# KiCad board Panel_R0.5.1_300x300_2layer_step1.kicad_pcb (continued)
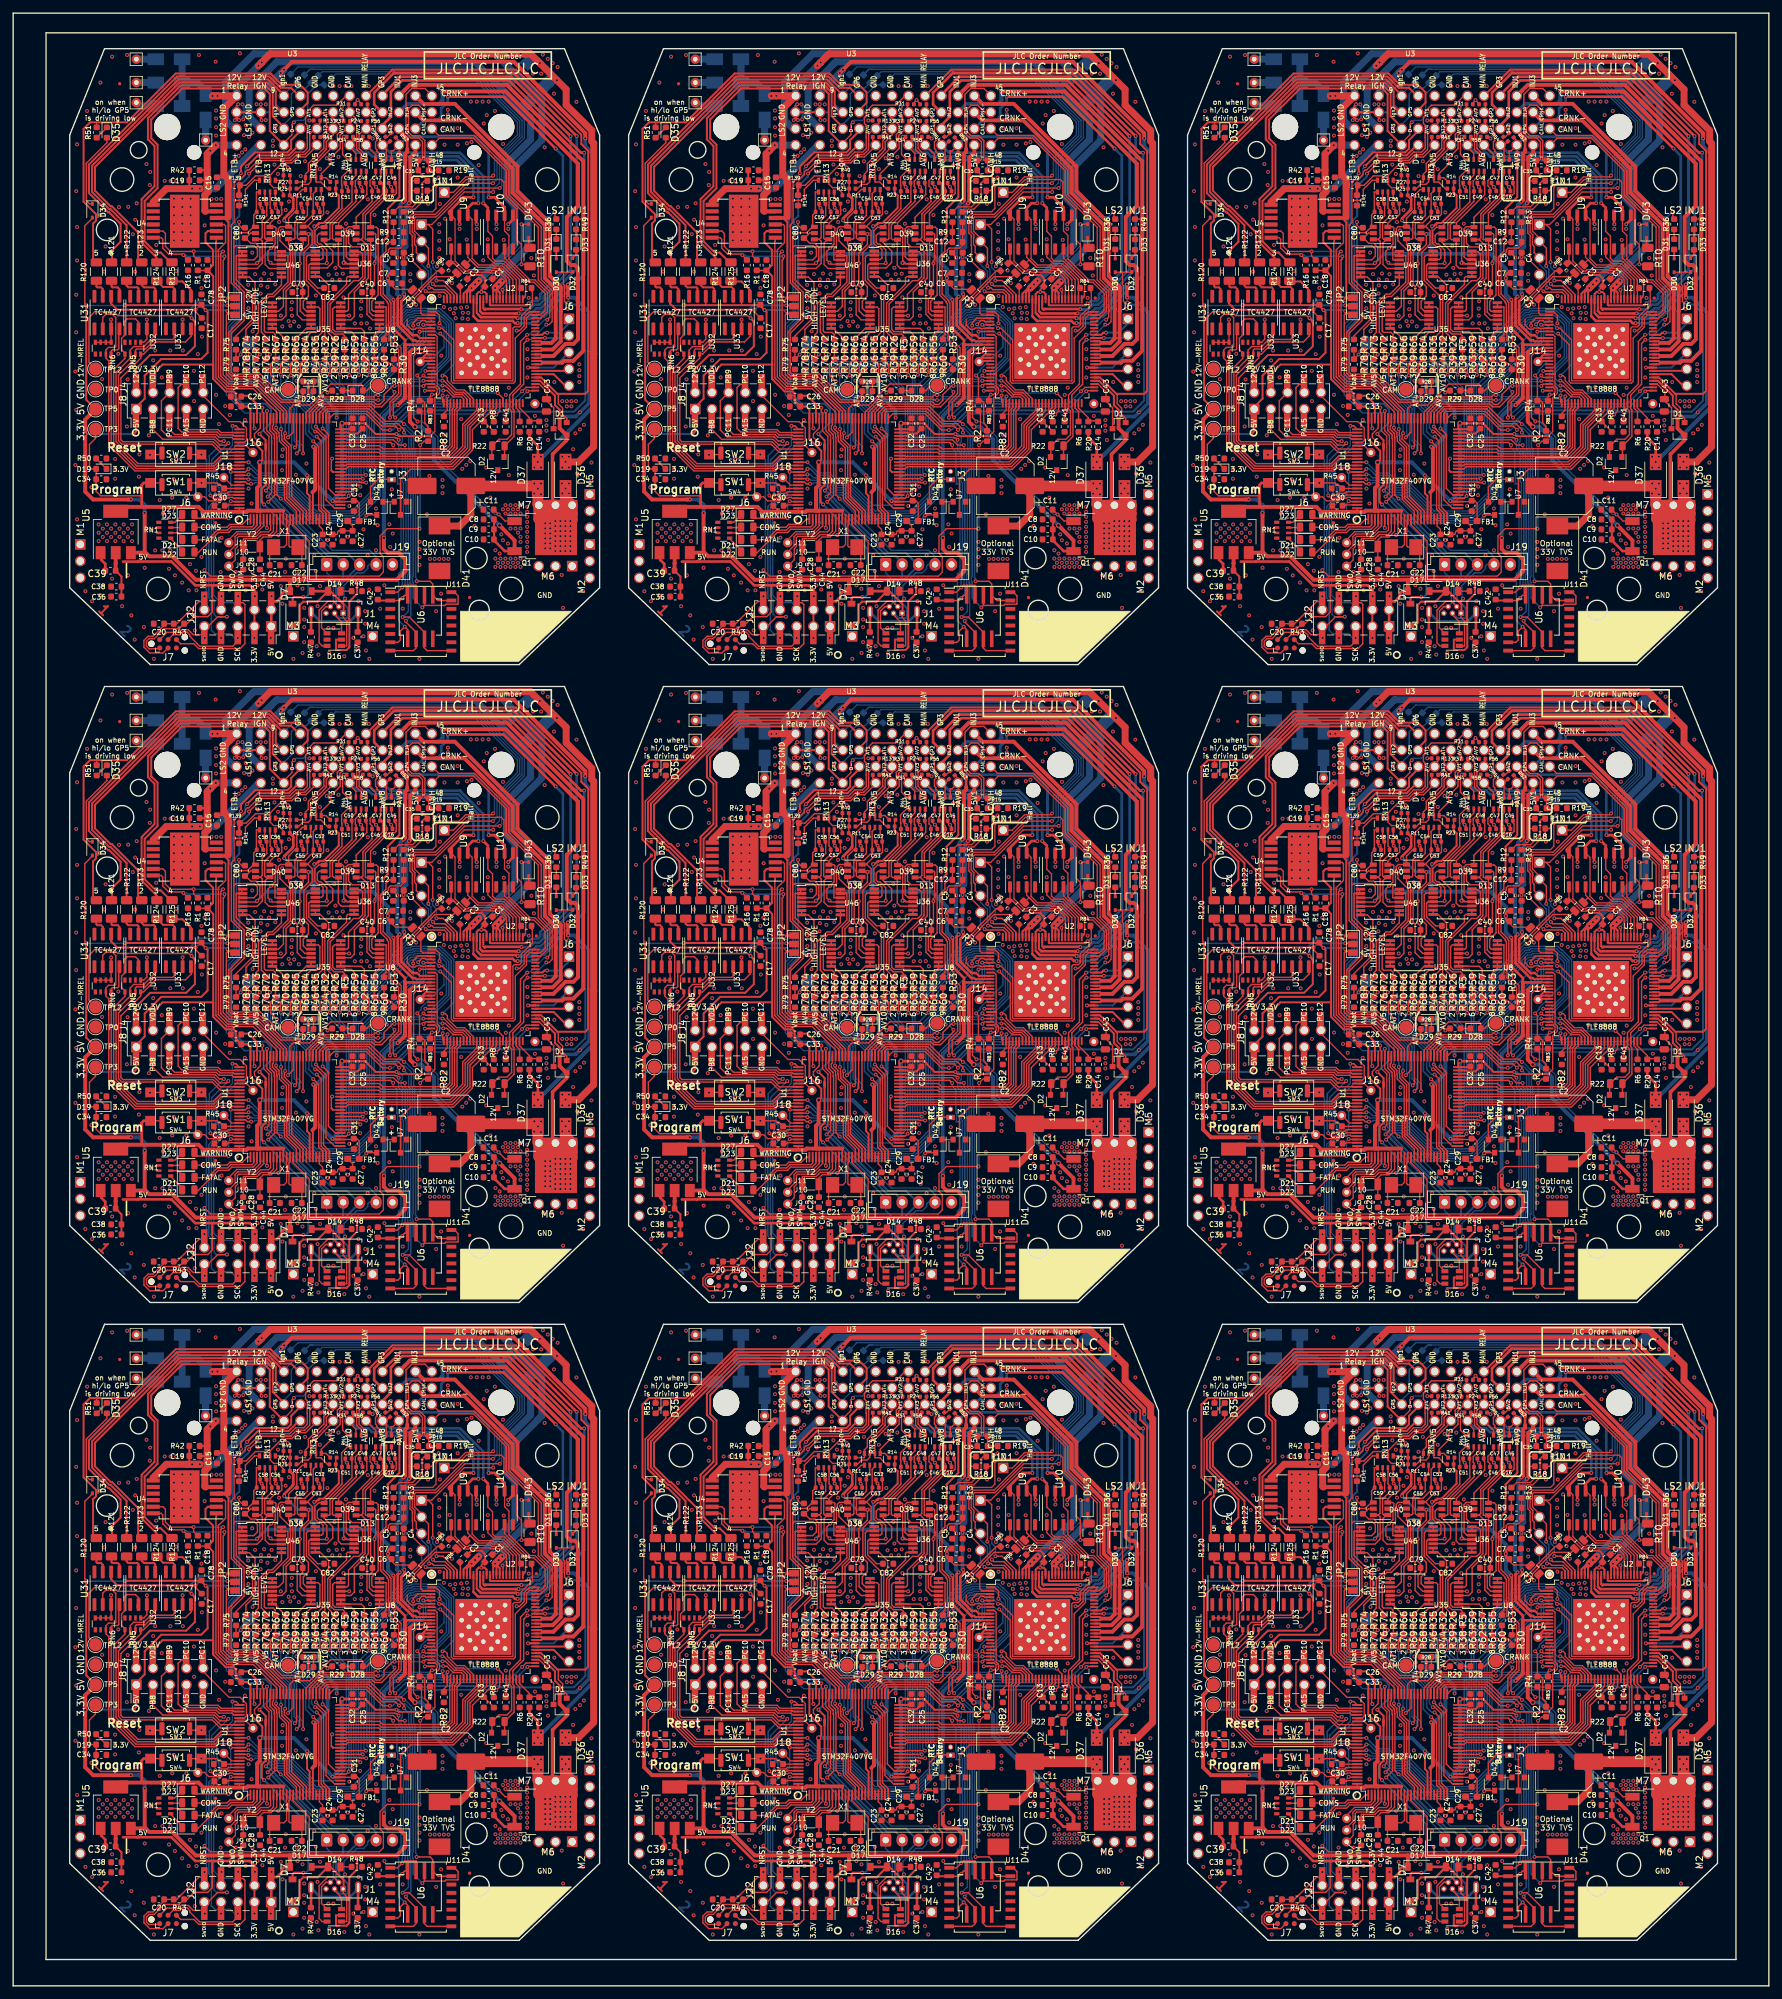
[diagram p0: board, top side]
## Placement (name value [footprint] x y rotation side) (continued)
FB1#6  FILTER  [R_0603_1608Metric_Pad1.05x0.95mm_HandSolder]  51.75 125.77 180 top
FB1#7  FILTER  [R_0603_1608Metric_Pad1.05x0.95mm_HandSolder]  221.75 28.77 180 top
FB1#8  FILTER  [R_0603_1608Metric_Pad1.05x0.95mm_HandSolder]  136.75 28.77 180 top
FB1#9  FILTER  [R_0603_1608Metric_Pad1.05x0.95mm_HandSolder]  51.75 28.77 180 top
FID1  Fiducial  [Fiducial_0.5mm_Mask1mm]  16.19 289.26 0 top
FID1#2  Fiducial  [Fiducial_0.5mm_Mask1mm]  101.19 289.26 0 top
FID1#3  Fiducial  [Fiducial_0.5mm_Mask1mm]  186.19 289.26 0 top
FID1#4  Fiducial  [Fiducial_0.5mm_Mask1mm]  101.19 192.26 0 top
FID1#5  Fiducial  [Fiducial_0.5mm_Mask1mm]  186.19 192.26 0 top
FID1#6  Fiducial  [Fiducial_0.5mm_Mask1mm]  16.19 192.26 0 top
FID1#7  Fiducial  [Fiducial_0.5mm_Mask1mm]  186.19 95.26 0 top
FID1#8  Fiducial  [Fiducial_0.5mm_Mask1mm]  101.19 95.26 0 top
FID1#9  Fiducial  [Fiducial_0.5mm_Mask1mm]  16.19 95.26 0 top
FID2  Fiducial  [Fiducial_0.5mm_Mask1mm]  30.8 222.51 0 top
FID2#2  Fiducial  [Fiducial_0.5mm_Mask1mm]  115.8 222.51 0 top
FID2#3  Fiducial  [Fiducial_0.5mm_Mask1mm]  200.8 222.51 0 top
FID2#4  Fiducial  [Fiducial_0.5mm_Mask1mm]  200.8 125.51 0 top
FID2#5  Fiducial  [Fiducial_0.5mm_Mask1mm]  115.8 125.51 0 top
FID2#6  Fiducial  [Fiducial_0.5mm_Mask1mm]  30.8 125.51 0 top
FID2#7  Fiducial  [Fiducial_0.5mm_Mask1mm]  200.8 28.51 0 top
FID2#8  Fiducial  [Fiducial_0.5mm_Mask1mm]  115.8 28.51 0 top
FID2#9  Fiducial  [Fiducial_0.5mm_Mask1mm]  30.8 28.51 0 top
FID3  Fiducial  [Fiducial_0.5mm_Mask1mm]  79.57 256.68 0 top
FID3#2  Fiducial  [Fiducial_0.5mm_Mask1mm]  164.57 256.68 0 top
FID3#3  Fiducial  [Fiducial_0.5mm_Mask1mm]  249.57 256.68 0 top
FID3#4  Fiducial  [Fiducial_0.5mm_Mask1mm]  164.57 159.68 0 top
FID3#5  Fiducial  [Fiducial_0.5mm_Mask1mm]  249.57 159.68 0 top
FID3#6  Fiducial  [Fiducial_0.5mm_Mask1mm]  79.57 159.68 0 top
FID3#7  Fiducial  [Fiducial_0.5mm_Mask1mm]  249.57 62.68 0 top
FID3#8  Fiducial  [Fiducial_0.5mm_Mask1mm]  164.57 62.68 0 top
FID3#9  Fiducial  [Fiducial_0.5mm_Mask1mm]  79.57 62.68 0 top
FID4  Fiducial  [Fiducial_0.5mm_Mask1mm]  69.41 211.13 0 top
FID4#2  Fiducial  [Fiducial_0.5mm_Mask1mm]  154.41 211.13 0 top
FID4#3  Fiducial  [Fiducial_0.5mm_Mask1mm]  239.41 211.13 0 top
FID4#4  Fiducial  [Fiducial_0.5mm_Mask1mm]  154.41 114.13 0 top
FID4#5  Fiducial  [Fiducial_0.5mm_Mask1mm]  239.41 114.13 0 top
FID4#6  Fiducial  [Fiducial_0.5mm_Mask1mm]  69.41 114.13 0 top
FID4#7  Fiducial  [Fiducial_0.5mm_Mask1mm]  239.41 17.13 0 top
FID4#8  Fiducial  [Fiducial_0.5mm_Mask1mm]  154.41 17.13 0 top
FID4#9  Fiducial  [Fiducial_0.5mm_Mask1mm]  69.41 17.13 0 top
FID5  Fiducial  [Fiducial_0.5mm_Mask1mm]  79.08 258.35 0 bottom
FID5#2  Fiducial  [Fiducial_0.5mm_Mask1mm]  164.08 258.35 0 bottom
FID5#3  Fiducial  [Fiducial_0.5mm_Mask1mm]  249.08 258.35 0 bottom
FID5#4  Fiducial  [Fiducial_0.5mm_Mask1mm]  164.08 161.35 0 bottom
FID5#5  Fiducial  [Fiducial_0.5mm_Mask1mm]  249.08 161.35 0 bottom
FID5#6  Fiducial  [Fiducial_0.5mm_Mask1mm]  79.08 161.35 0 bottom
FID5#7  Fiducial  [Fiducial_0.5mm_Mask1mm]  249.08 64.35 0 bottom
FID5#8  Fiducial  [Fiducial_0.5mm_Mask1mm]  79.08 64.35 0 bottom
FID5#9  Fiducial  [Fiducial_0.5mm_Mask1mm]  164.08 64.35 0 bottom
FID6  Fiducial  [Fiducial_0.5mm_Mask1mm]  48.35 251.55 0 bottom
FID6#2  Fiducial  [Fiducial_0.5mm_Mask1mm]  133.35 251.55 0 bottom
FID6#3  Fiducial  [Fiducial_0.5mm_Mask1mm]  218.35 251.55 0 bottom
FID6#4  Fiducial  [Fiducial_0.5mm_Mask1mm]  133.35 154.55 0 bottom
FID6#5  Fiducial  [Fiducial_0.5mm_Mask1mm]  218.35 154.55 0 bottom
FID6#6  Fiducial  [Fiducial_0.5mm_Mask1mm]  48.35 154.55 0 bottom
FID6#7  Fiducial  [Fiducial_0.5mm_Mask1mm]  133.35 57.55 0 bottom
FID6#8  Fiducial  [Fiducial_0.5mm_Mask1mm]  218.35 57.55 0 bottom
FID6#9  Fiducial  [Fiducial_0.5mm_Mask1mm]  48.35 57.55 0 bottom
G1  Disclaimer  [Off_Road_Disclaimer]  47.06 266.2 180 bottom
G1#2  Disclaimer  [Off_Road_Disclaimer]  132.06 266.2 180 bottom
G1#3  Disclaimer  [Off_Road_Disclaimer]  217.06 266.2 180 bottom
G1#4  Disclaimer  [Off_Road_Disclaimer]  47.06 169.2 180 bottom
G1#5  Disclaimer  [Off_Road_Disclaimer]  217.06 169.2 180 bottom
G1#6  Disclaimer  [Off_Road_Disclaimer]  132.06 169.2 180 bottom
G1#7  Disclaimer  [Off_Road_Disclaimer]  217.06 72.2 180 bottom
G1#8  Disclaimer  [Off_Road_Disclaimer]  47.06 72.2 180 bottom
G1#9  Disclaimer  [Off_Road_Disclaimer]  132.06 72.2 180 bottom
J1  USB_B_Micro  [USB_Micro-B_Wuerth_614105150721_Vertical]  50.18 208.75 180 top
J1#2  USB_B_Micro  [USB_Micro-B_Wuerth_614105150721_Vertical]  135.18 208.75 180 top
J1#3  USB_B_Micro  [USB_Micro-B_Wuerth_614105150721_Vertical]  220.18 208.75 180 top
J1#4  USB_B_Micro  [USB_Micro-B_Wuerth_614105150721_Vertical]  50.18 111.75 180 top
J1#5  USB_B_Micro  [USB_Micro-B_Wuerth_614105150721_Vertical]  220.18 111.75 180 top
J1#6  USB_B_Micro  [USB_Micro-B_Wuerth_614105150721_Vertical]  135.18 111.75 180 top
J1#7  USB_B_Micro  [USB_Micro-B_Wuerth_614105150721_Vertical]  50.18 14.75 180 top
J1#8  USB_B_Micro  [USB_Micro-B_Wuerth_614105150721_Vertical]  220.18 14.75 180 top
J1#9  USB_B_Micro  [USB_Micro-B_Wuerth_614105150721_Vertical]  135.18 14.75 180 top
J2  Conn_02x05_Odd_Even  [PinSocket_2x05_P2.54mm_Vertical_SMD]  34.15 208.03 270 top
J2#2  Conn_02x05_Odd_Even  [PinSocket_2x05_P2.54mm_Vertical_SMD]  119.15 208.03 270 top
J2#3  Conn_02x05_Odd_Even  [PinSocket_2x05_P2.54mm_Vertical_SMD]  204.15 208.03 270 top
J2#4  Conn_02x05_Odd_Even  [PinSocket_2x05_P2.54mm_Vertical_SMD]  34.15 111.03 270 top
J2#5  Conn_02x05_Odd_Even  [PinSocket_2x05_P2.54mm_Vertical_SMD]  204.15 111.03 270 top
J2#6  Conn_02x05_Odd_Even  [PinSocket_2x05_P2.54mm_Vertical_SMD]  119.15 111.03 270 top
J2#7  Conn_02x05_Odd_Even  [PinSocket_2x05_P2.54mm_Vertical_SMD]  34.15 14.03 270 top
J2#8  Conn_02x05_Odd_Even  [PinSocket_2x05_P2.54mm_Vertical_SMD]  204.15 14.03 270 top
J2#9  Conn_02x05_Odd_Even  [PinSocket_2x05_P2.54mm_Vertical_SMD]  119.15 14.03 270 top
J3  Conn_01x01  [Pin_D0.7mm_L6.5mm_W1.8mm_FlatFork]  29.27 280.68 270 top
J3#2  Conn_01x01  [Pin_D0.7mm_L6.5mm_W1.8mm_FlatFork]  114.28 280.68 270 top
J3#3  Conn_01x01  [Pin_D0.7mm_L6.5mm_W1.8mm_FlatFork]  199.28 280.68 270 top
J3#4  Conn_01x01  [Pin_D0.7mm_L6.5mm_W1.8mm_FlatFork]  29.27 183.68 270 top
J3#5  Conn_01x01  [Pin_D0.7mm_L6.5mm_W1.8mm_FlatFork]  199.28 183.68 270 top
J3#6  Conn_01x01  [Pin_D0.7mm_L6.5mm_W1.8mm_FlatFork]  114.28 183.68 270 top
J3#7  Conn_01x01  [Pin_D0.7mm_L6.5mm_W1.8mm_FlatFork]  29.27 86.68 270 top
J3#8  Conn_01x01  [Pin_D0.7mm_L6.5mm_W1.8mm_FlatFork]  199.28 86.68 270 top
J3#9  Conn_01x01  [Pin_D0.7mm_L6.5mm_W1.8mm_FlatFork]  114.28 86.68 270 top
J4  Conn_02x05_Counter_Clockwise  [PinHeader_2x05_P2.54mm_Vertical_SMD]  23.76 241.03 90 top
J4#2  Conn_02x05_Counter_Clockwise  [PinHeader_2x05_P2.54mm_Vertical_SMD]  108.76 241.03 90 top
J4#3  Conn_02x05_Counter_Clockwise  [PinHeader_2x05_P2.54mm_Vertical_SMD]  193.76 241.03 90 top
J4#4  Conn_02x05_Counter_Clockwise  [PinHeader_2x05_P2.54mm_Vertical_SMD]  23.76 144.03 90 top
J4#5  Conn_02x05_Counter_Clockwise  [PinHeader_2x05_P2.54mm_Vertical_SMD]  193.76 144.03 90 top
J4#6  Conn_02x05_Counter_Clockwise  [PinHeader_2x05_P2.54mm_Vertical_SMD]  108.76 144.03 90 top
J4#7  Conn_02x05_Counter_Clockwise  [PinHeader_2x05_P2.54mm_Vertical_SMD]  23.76 47.03 90 top
J4#8  Conn_02x05_Counter_Clockwise  [PinHeader_2x05_P2.54mm_Vertical_SMD]  193.76 47.03 90 top
J4#9  Conn_02x05_Counter_Clockwise  [PinHeader_2x05_P2.54mm_Vertical_SMD]  108.76 47.03 90 top
J5  Conn_01x01  [Pin_D0.7mm_L6.5mm_W1.8mm_FlatFork]  18.73 286.39 0 top
J5#2  Conn_01x01  [Pin_D0.7mm_L6.5mm_W1.8mm_FlatFork]  103.73 286.39 0 top
J5#3  Conn_01x01  [Pin_D0.7mm_L6.5mm_W1.8mm_FlatFork]  188.73 286.39 0 top
J5#4  Conn_01x01  [Pin_D0.7mm_L6.5mm_W1.8mm_FlatFork]  18.73 189.39 0 top
J5#5  Conn_01x01  [Pin_D0.7mm_L6.5mm_W1.8mm_FlatFork]  188.73 189.39 0 top
J5#6  Conn_01x01  [Pin_D0.7mm_L6.5mm_W1.8mm_FlatFork]  103.73 189.39 0 top
J5#7  Conn_01x01  [Pin_D0.7mm_L6.5mm_W1.8mm_FlatFork]  18.73 92.39 0 top
J5#8  Conn_01x01  [Pin_D0.7mm_L6.5mm_W1.8mm_FlatFork]  188.73 92.39 0 top
J5#9  Conn_01x01  [Pin_D0.7mm_L6.5mm_W1.8mm_FlatFork]  103.73 92.39 0 top
J7  TC2030  [Tag-Connect_TC2030-IDC-NL_2x03_P1.27mm_Vertical]  23.56 204.1 0 top
J7#2  TC2030  [Tag-Connect_TC2030-IDC-NL_2x03_P1.27mm_Vertical]  108.56 204.1 0 top
J7#3  TC2030  [Tag-Connect_TC2030-IDC-NL_2x03_P1.27mm_Vertical]  193.56 204.1 0 top
J7#4  TC2030  [Tag-Connect_TC2030-IDC-NL_2x03_P1.27mm_Vertical]  23.56 107.1 0 top
J7#5  TC2030  [Tag-Connect_TC2030-IDC-NL_2x03_P1.27mm_Vertical]  193.56 107.1 0 top
J7#6  TC2030  [Tag-Connect_TC2030-IDC-NL_2x03_P1.27mm_Vertical]  108.56 107.1 0 top
J7#7  TC2030  [Tag-Connect_TC2030-IDC-NL_2x03_P1.27mm_Vertical]  23.56 10.1 0 top
J7#8  TC2030  [Tag-Connect_TC2030-IDC-NL_2x03_P1.27mm_Vertical]  193.56 10.1 0 top
J7#9  TC2030  [Tag-Connect_TC2030-IDC-NL_2x03_P1.27mm_Vertical]  108.56 10.1 0 top
J12  Conn_01x01  [Pin_D0.7mm_L6.5mm_W1.8mm_FlatFork]  18.73 293 0 top
J12#2  Conn_01x01  [Pin_D0.7mm_L6.5mm_W1.8mm_FlatFork]  103.73 293 0 top
J12#3  Conn_01x01  [Pin_D0.7mm_L6.5mm_W1.8mm_FlatFork]  188.73 293 0 top
J12#4  Conn_01x01  [Pin_D0.7mm_L6.5mm_W1.8mm_FlatFork]  18.73 196 0 top
J12#5  Conn_01x01  [Pin_D0.7mm_L6.5mm_W1.8mm_FlatFork]  188.73 196 0 top
J12#6  Conn_01x01  [Pin_D0.7mm_L6.5mm_W1.8mm_FlatFork]  103.73 196 0 top
J12#7  Conn_01x01  [Pin_D0.7mm_L6.5mm_W1.8mm_FlatFork]  188.73 99 0 top
J12#8  Conn_01x01  [Pin_D0.7mm_L6.5mm_W1.8mm_FlatFork]  18.73 99 0 top
J12#9  Conn_01x01  [Pin_D0.7mm_L6.5mm_W1.8mm_FlatFork]  103.73 99 0 top
J13  Conn_01x01  [Pin_D0.7mm_L6.5mm_W1.8mm_FlatFork]  18.73 289.44 0 top
J13#2  Conn_01x01  [Pin_D0.7mm_L6.5mm_W1.8mm_FlatFork]  103.73 289.44 0 top
J13#3  Conn_01x01  [Pin_D0.7mm_L6.5mm_W1.8mm_FlatFork]  188.73 289.44 0 top
J13#4  Conn_01x01  [Pin_D0.7mm_L6.5mm_W1.8mm_FlatFork]  18.73 192.44 0 top
J13#5  Conn_01x01  [Pin_D0.7mm_L6.5mm_W1.8mm_FlatFork]  188.73 192.44 0 top
J13#6  Conn_01x01  [Pin_D0.7mm_L6.5mm_W1.8mm_FlatFork]  103.73 192.44 0 top
J13#7  Conn_01x01  [Pin_D0.7mm_L6.5mm_W1.8mm_FlatFork]  18.73 95.44 0 top
J13#8  Conn_01x01  [Pin_D0.7mm_L6.5mm_W1.8mm_FlatFork]  188.73 95.44 0 top
J13#9  Conn_01x01  [Pin_D0.7mm_L6.5mm_W1.8mm_FlatFork]  103.73 95.44 0 top
J15  Conn_01x01  [Pin_D0.7mm_L6.5mm_W1.8mm_FlatFork]  63.65 256.6 0 bottom
J15#2  Conn_01x01  [Pin_D0.7mm_L6.5mm_W1.8mm_FlatFork]  148.65 256.6 0 bottom
J15#3  Conn_01x01  [Pin_D0.7mm_L6.5mm_W1.8mm_FlatFork]  233.65 256.6 0 bottom
J15#4  Conn_01x01  [Pin_D0.7mm_L6.5mm_W1.8mm_FlatFork]  63.65 159.6 0 bottom
J15#5  Conn_01x01  [Pin_D0.7mm_L6.5mm_W1.8mm_FlatFork]  233.65 159.6 0 bottom
J15#6  Conn_01x01  [Pin_D0.7mm_L6.5mm_W1.8mm_FlatFork]  148.65 159.6 0 bottom
J15#7  Conn_01x01  [Pin_D0.7mm_L6.5mm_W1.8mm_FlatFork]  63.65 62.6 0 bottom
J15#8  Conn_01x01  [Pin_D0.7mm_L6.5mm_W1.8mm_FlatFork]  233.65 62.6 0 bottom
J15#9  Conn_01x01  [Pin_D0.7mm_L6.5mm_W1.8mm_FlatFork]  148.65 62.6 0 bottom
J17  Conn_01x01  [Pin_D0.7mm_L6.5mm_W1.8mm_FlatFork]  79.35 240.6 0 bottom
J17#2  Conn_01x01  [Pin_D0.7mm_L6.5mm_W1.8mm_FlatFork]  164.35 240.6 0 bottom
J17#3  Conn_01x01  [Pin_D0.7mm_L6.5mm_W1.8mm_FlatFork]  249.35 240.6 0 bottom
J17#4  Conn_01x01  [Pin_D0.7mm_L6.5mm_W1.8mm_FlatFork]  79.35 143.6 0 bottom
J17#5  Conn_01x01  [Pin_D0.7mm_L6.5mm_W1.8mm_FlatFork]  249.35 143.6 0 bottom
J17#6  Conn_01x01  [Pin_D0.7mm_L6.5mm_W1.8mm_FlatFork]  164.35 143.6 0 bottom
J17#7  Conn_01x01  [Pin_D0.7mm_L6.5mm_W1.8mm_FlatFork]  79.35 46.6 0 bottom
J17#8  Conn_01x01  [Pin_D0.7mm_L6.5mm_W1.8mm_FlatFork]  249.35 46.6 0 bottom
J17#9  Conn_01x01  [Pin_D0.7mm_L6.5mm_W1.8mm_FlatFork]  164.35 46.6 0 bottom
J19  Conn_01x06  [JST_EH_B5B-EH-A_1x05_P2.50mm_Vertical]  47.69 216.16 0 top
J19#2  Conn_01x06  [JST_EH_B5B-EH-A_1x05_P2.50mm_Vertical]  132.69 216.16 0 top
J19#3  Conn_01x06  [JST_EH_B5B-EH-A_1x05_P2.50mm_Vertical]  217.69 216.16 0 top
J19#4  Conn_01x06  [JST_EH_B5B-EH-A_1x05_P2.50mm_Vertical]  47.69 119.16 0 top
J19#5  Conn_01x06  [JST_EH_B5B-EH-A_1x05_P2.50mm_Vertical]  217.69 119.16 0 top
J19#6  Conn_01x06  [JST_EH_B5B-EH-A_1x05_P2.50mm_Vertical]  132.69 119.16 0 top
J19#7  Conn_01x06  [JST_EH_B5B-EH-A_1x05_P2.50mm_Vertical]  47.69 22.16 0 top
J19#8  Conn_01x06  [JST_EH_B5B-EH-A_1x05_P2.50mm_Vertical]  217.69 22.16 0 top
J19#9  Conn_01x06  [JST_EH_B5B-EH-A_1x05_P2.50mm_Vertical]  132.69 22.16 0 top
JP2  High side voltage 5V 12V  [SolderJumper-3_P1.3mm_Open_Pad1.0x1.5mm]  33.75 255.43 90 top
JP2#2  High side voltage 5V 12V  [SolderJumper-3_P1.3mm_Open_Pad1.0x1.5mm]  118.75 255.43 90 top
JP2#3  High side voltage 5V 12V  [SolderJumper-3_P1.3mm_Open_Pad1.0x1.5mm]  203.75 255.43 90 top
JP2#4  High side voltage 5V 12V  [SolderJumper-3_P1.3mm_Open_Pad1.0x1.5mm]  118.75 158.43 90 top
JP2#5  High side voltage 5V 12V  [SolderJumper-3_P1.3mm_Open_Pad1.0x1.5mm]  203.75 158.43 90 top
JP2#6  High side voltage 5V 12V  [SolderJumper-3_P1.3mm_Open_Pad1.0x1.5mm]  33.75 158.43 90 top
JP2#7  High side voltage 5V 12V  [SolderJumper-3_P1.3mm_Open_Pad1.0x1.5mm]  118.75 61.43 90 top
JP2#8  High side voltage 5V 12V  [SolderJumper-3_P1.3mm_Open_Pad1.0x1.5mm]  203.75 61.43 90 top
JP2#9  High side voltage 5V 12V  [SolderJumper-3_P1.3mm_Open_Pad1.0x1.5mm]  33.75 61.43 90 top
LOGO1  DNP  [OSHW-Logo2_7.3x6mm_SilkScreen]  72.33 205.88 180 bottom
LOGO2  DNP  [LOGO]  75 229.37 90 bottom
LOGO3  LOGO  [MRE_QR_code]  57.98 218.19 0 bottom
NT1  Net-Tie_2  [Net-Tie_2_8.5mil]  40.07 235.85 270 top
NT1#2  Net-Tie_2  [Net-Tie_2_8.5mil]  125.07 235.85 270 top
NT1#3  Net-Tie_2  [Net-Tie_2_8.5mil]  210.07 235.85 270 top
NT1#4  Net-Tie_2  [Net-Tie_2_8.5mil]  210.07 138.85 270 top
NT1#5  Net-Tie_2  [Net-Tie_2_8.5mil]  125.07 138.85 270 top
NT1#6  Net-Tie_2  [Net-Tie_2_8.5mil]  40.07 138.85 270 top
NT1#7  Net-Tie_2  [Net-Tie_2_8.5mil]  210.07 41.85 270 top
NT1#8  Net-Tie_2  [Net-Tie_2_8.5mil]  125.07 41.85 270 top
NT1#9  Net-Tie_2  [Net-Tie_2_8.5mil]  40.07 41.85 270 top
NT2  Net-Tie_2  [Net-Tie_2_8.5mil]  48.39 230.69 270 top
NT2#2  Net-Tie_2  [Net-Tie_2_8.5mil]  133.39 230.69 270 top
NT2#3  Net-Tie_2  [Net-Tie_2_8.5mil]  218.39 230.69 270 top
NT2#4  Net-Tie_2  [Net-Tie_2_8.5mil]  48.39 133.69 270 top
NT2#5  Net-Tie_2  [Net-Tie_2_8.5mil]  218.39 133.69 270 top
NT2#6  Net-Tie_2  [Net-Tie_2_8.5mil]  133.39 133.69 270 top
NT2#7  Net-Tie_2  [Net-Tie_2_8.5mil]  218.39 36.69 270 top
NT2#8  Net-Tie_2  [Net-Tie_2_8.5mil]  133.39 36.69 270 top
NT2#9  Net-Tie_2  [Net-Tie_2_8.5mil]  48.39 36.69 270 top
NT3  Analog Ground Net Tie  [NetTie-2_SMD_Pad0.5mm]  46.7 243.6 90 bottom
NT3#2  Analog Ground Net Tie  [NetTie-2_SMD_Pad0.5mm]  131.7 243.6 90 bottom
NT3#3  Analog Ground Net Tie  [NetTie-2_SMD_Pad0.5mm]  216.7 243.6 90 bottom
NT3#4  Analog Ground Net Tie  [NetTie-2_SMD_Pad0.5mm]  216.7 146.6 90 bottom
NT3#5  Analog Ground Net Tie  [NetTie-2_SMD_Pad0.5mm]  131.7 146.6 90 bottom
NT3#6  Analog Ground Net Tie  [NetTie-2_SMD_Pad0.5mm]  46.7 146.6 90 bottom
NT3#7  Analog Ground Net Tie  [NetTie-2_SMD_Pad0.5mm]  216.7 49.6 90 bottom
NT3#8  Analog Ground Net Tie  [NetTie-2_SMD_Pad0.5mm]  131.7 49.6 90 bottom
NT3#9  Analog Ground Net Tie  [NetTie-2_SMD_Pad0.5mm]  46.7 49.6 90 bottom
Q1  IPD30N06S2L-23  [TO-252-2]  80.46 220.48 0 top
Q1#2  IPD30N06S2L-23  [TO-252-2]  165.46 220.48 0 top
Q1#3  IPD30N06S2L-23  [TO-252-2]  250.46 220.48 0 top
Q1#4  IPD30N06S2L-23  [TO-252-2]  165.46 123.48 0 top
Q1#5  IPD30N06S2L-23  [TO-252-2]  250.46 123.48 0 top
Q1#6  IPD30N06S2L-23  [TO-252-2]  80.46 123.48 0 top
Q1#7  IPD30N06S2L-23  [TO-252-2]  250.46 26.48 0 top
Q1#8  IPD30N06S2L-23  [TO-252-2]  165.46 26.48 0 top
Q1#9  IPD30N06S2L-23  [TO-252-2]  80.46 26.48 0 top
R1  10K  [R_0603_1608Metric]  28.08 261.68 90 top
R1#2  10K  [R_0603_1608Metric]  113.08 261.68 90 top
R1#3  10K  [R_0603_1608Metric]  198.08 261.68 90 top
R1#4  10K  [R_0603_1608Metric]  113.08 164.68 90 top
R1#5  10K  [R_0603_1608Metric]  198.08 164.68 90 top
R1#6  10K  [R_0603_1608Metric]  28.08 164.68 90 top
R1#7  10K  [R_0603_1608Metric]  198.08 67.68 90 top
R1#8  10K  [R_0603_1608Metric]  28.08 67.68 90 top
R1#9  10K  [R_0603_1608Metric]  113.08 67.68 90 top
R2  0R  [R_0603_1608Metric]  63.1 235.7 270 top
R2#2  0R  [R_0603_1608Metric]  148.1 235.7 270 top
R2#3  0R  [R_0603_1608Metric]  233.1 235.7 270 top
R2#4  0R  [R_0603_1608Metric]  63.1 138.7 270 top
R2#5  0R  [R_0603_1608Metric]  233.1 138.7 270 top
R2#6  0R  [R_0603_1608Metric]  148.1 138.7 270 top
R2#7  0R  [R_0603_1608Metric]  63.1 41.7 270 top
R2#8  0R  [R_0603_1608Metric]  233.1 41.7 270 top
R2#9  0R  [R_0603_1608Metric]  148.1 41.7 270 top
R3  10K  [R_0805_2012Metric]  61.38 257.26 135 top
R3#2  10K  [R_0805_2012Metric]  146.38 257.26 135 top
R3#3  10K  [R_0805_2012Metric]  231.38 257.26 135 top
R3#4  10K  [R_0805_2012Metric]  61.38 160.26 135 top
R3#5  10K  [R_0805_2012Metric]  231.38 160.26 135 top
R3#6  10K  [R_0805_2012Metric]  146.38 160.26 135 top
R3#7  10K  [R_0805_2012Metric]  231.38 63.26 135 top
R3#8  10K  [R_0805_2012Metric]  61.38 63.26 135 top
R3#9  10K  [R_0805_2012Metric]  146.38 63.26 135 top
R4  10K  [R_0603_1608Metric]  61.8 240.29 90 top
R4#2  10K  [R_0603_1608Metric]  146.8 240.29 90 top
R4#3  10K  [R_0603_1608Metric]  231.8 240.29 90 top
R4#4  10K  [R_0603_1608Metric]  146.8 143.29 90 top
R4#5  10K  [R_0603_1608Metric]  231.8 143.29 90 top
R4#6  10K  [R_0603_1608Metric]  61.8 143.29 90 top
R4#7  10K  [R_0603_1608Metric]  231.8 46.29 90 top
R4#8  10K  [R_0603_1608Metric]  61.8 46.29 90 top
R4#9  10K  [R_0603_1608Metric]  146.8 46.29 90 top
R5  6.8K  [R_0603_1608Metric]  50.4 249.6 90 top
R5#2  6.8K  [R_0603_1608Metric]  135.4 249.6 90 top
R5#3  6.8K  [R_0603_1608Metric]  220.4 249.6 90 top
R5#4  6.8K  [R_0603_1608Metric]  50.4 152.6 90 top
R5#5  6.8K  [R_0603_1608Metric]  220.4 152.6 90 top
R5#6  6.8K  [R_0603_1608Metric]  135.4 152.6 90 top
R5#7  6.8K  [R_0603_1608Metric]  220.4 55.6 90 top
R5#8  6.8K  [R_0603_1608Metric]  50.4 55.6 90 top
R5#9  6.8K  [R_0603_1608Metric]  135.4 55.6 90 top
R6  10K  [R_0603_1608Metric]  77.03 237.12 90 top
R6#2  10K  [R_0603_1608Metric]  162.03 237.12 90 top
R6#3  10K  [R_0603_1608Metric]  247.03 237.12 90 top
R6#4  10K  [R_0603_1608Metric]  162.03 140.12 90 top
R6#5  10K  [R_0603_1608Metric]  247.03 140.12 90 top
R6#6  10K  [R_0603_1608Metric]  77.03 140.12 90 top
R6#7  10K  [R_0603_1608Metric]  247.03 43.12 90 top
R6#8  10K  [R_0603_1608Metric]  77.03 43.12 90 top
R6#9  10K  [R_0603_1608Metric]  162.03 43.12 90 top
R7  DNP  [R_0402_1005Metric]  58.74 278.26 90 top
R7#2  DNP  [R_0402_1005Metric]  143.74 278.26 90 top
R7#3  DNP  [R_0402_1005Metric]  228.74 278.26 90 top
R7#4  DNP  [R_0402_1005Metric]  58.74 181.26 90 top
R7#5  DNP  [R_0402_1005Metric]  228.74 181.26 90 top
R7#6  DNP  [R_0402_1005Metric]  143.74 181.26 90 top
R7#7  DNP  [R_0402_1005Metric]  58.74 84.26 90 top
R7#8  DNP  [R_0402_1005Metric]  228.74 84.26 90 top
R7#9  DNP  [R_0402_1005Metric]  143.74 84.26 90 top
R8  0R  [R_0603_1608Metric]  73.1 237.1 90 top
R8#2  0R  [R_0603_1608Metric]  158.1 237.1 90 top
R8#3  0R  [R_0603_1608Metric]  243.1 237.1 90 top
R8#4  0R  [R_0603_1608Metric]  73.1 140.1 90 top
R8#5  0R  [R_0603_1608Metric]  243.1 140.1 90 top
R8#6  0R  [R_0603_1608Metric]  158.1 140.1 90 top
R8#7  0R  [R_0603_1608Metric]  73.1 43.1 90 top
R8#8  0R  [R_0603_1608Metric]  243.1 43.1 90 top
R8#9  0R  [R_0603_1608Metric]  158.1 43.1 90 top
R9  4.7K  [R_0603_1608Metric]  58.61 266.71 0 top
R9#2  4.7K  [R_0603_1608Metric]  143.61 266.71 0 top
R9#3  4.7K  [R_0603_1608Metric]  228.61 266.71 0 top
R9#4  4.7K  [R_0603_1608Metric]  143.61 169.71 0 top
R9#5  4.7K  [R_0603_1608Metric]  228.61 169.71 0 top
R9#6  4.7K  [R_0603_1608Metric]  58.61 169.71 0 top
R9#7  4.7K  [R_0603_1608Metric]  228.61 72.71 0 top
R9#8  4.7K  [R_0603_1608Metric]  58.61 72.71 0 top
R9#9  4.7K  [R_0603_1608Metric]  143.61 72.71 0 top
R10  1k  [R_1206_3216Metric]  78.6 262.9 270 top
R10#2  1k  [R_1206_3216Metric]  163.6 262.9 270 top
R10#3  1k  [R_1206_3216Metric]  248.6 262.9 270 top
R10#4  1k  [R_1206_3216Metric]  78.6 165.9 270 top
R10#5  1k  [R_1206_3216Metric]  248.6 165.9 270 top
R10#6  1k  [R_1206_3216Metric]  163.6 165.9 270 top
R10#7  1k  [R_1206_3216Metric]  78.6 68.9 270 top
R10#8  1k  [R_1206_3216Metric]  248.6 68.9 270 top
R10#9  1k  [R_1206_3216Metric]  163.6 68.9 270 top
R11  DNP  [R_0402_1005Metric]  41.59 272.3 0 top
R11#2  DNP  [R_0402_1005Metric]  126.59 272.3 0 top
R11#3  DNP  [R_0402_1005Metric]  211.59 272.3 0 top
R11#4  DNP  [R_0402_1005Metric]  41.59 175.3 0 top
R11#5  DNP  [R_0402_1005Metric]  211.59 175.3 0 top
R11#6  DNP  [R_0402_1005Metric]  126.59 175.3 0 top
R11#7  DNP  [R_0402_1005Metric]  41.59 78.3 0 top
R11#8  DNP  [R_0402_1005Metric]  211.59 78.3 0 top
R11#9  DNP  [R_0402_1005Metric]  126.59 78.3 0 top
R12  10K  [R_0603_1608Metric]  57.85 269 270 top
R12#2  10K  [R_0603_1608Metric]  142.85 269 270 top
R12#3  10K  [R_0603_1608Metric]  227.85 269 270 top
R12#4  10K  [R_0603_1608Metric]  142.85 172 270 top
R12#5  10K  [R_0603_1608Metric]  227.85 172 270 top
R12#6  10K  [R_0603_1608Metric]  57.85 172 270 top
R12#7  10K  [R_0603_1608Metric]  227.85 75 270 top
R12#8  10K  [R_0603_1608Metric]  57.85 75 270 top
R12#9  10K  [R_0603_1608Metric]  142.85 75 270 top
R13  10K  [R_0603_1608Metric]  59.37 269 270 top
R13#2  10K  [R_0603_1608Metric]  144.37 269 270 top
R13#3  10K  [R_0603_1608Metric]  229.37 269 270 top
R13#4  10K  [R_0603_1608Metric]  144.37 172 270 top
R13#5  10K  [R_0603_1608Metric]  229.37 172 270 top
R13#6  10K  [R_0603_1608Metric]  59.37 172 270 top
R13#7  10K  [R_0603_1608Metric]  229.37 75 270 top
R13#8  10K  [R_0603_1608Metric]  59.37 75 270 top
R13#9  10K  [R_0603_1608Metric]  144.37 75 270 top
R14  2.7k  [R_0402_1005Metric]  48.71 274.33 0 top
R14#2  2.7k  [R_0402_1005Metric]  133.71 274.33 0 top
R14#3  2.7k  [R_0402_1005Metric]  218.71 274.33 0 top
R14#4  2.7k  [R_0402_1005Metric]  48.71 177.33 0 top
R14#5  2.7k  [R_0402_1005Metric]  218.71 177.33 0 top
R14#6  2.7k  [R_0402_1005Metric]  133.71 177.33 0 top
R14#7  2.7k  [R_0402_1005Metric]  48.71 80.33 0 top
R14#8  2.7k  [R_0402_1005Metric]  218.71 80.33 0 top
R14#9  2.7k  [R_0402_1005Metric]  133.71 80.33 0 top
R15  15k  [R_0603_1608Metric]  62.4 277.6 0 top
R15#2  15k  [R_0603_1608Metric]  147.4 277.6 0 top
R15#3  15k  [R_0603_1608Metric]  232.4 277.6 0 top
R15#4  15k  [R_0603_1608Metric]  147.4 180.6 0 top
R15#5  15k  [R_0603_1608Metric]  232.4 180.6 0 top
R15#6  15k  [R_0603_1608Metric]  62.4 180.6 0 top
R15#7  15k  [R_0603_1608Metric]  232.4 83.6 0 top
R15#8  15k  [R_0603_1608Metric]  62.4 83.6 0 top
R15#9  15k  [R_0603_1608Metric]  147.4 83.6 0 top
R16  10K  [R_0603_1608Metric]  26.58 261.68 270 top
R16#2  10K  [R_0603_1608Metric]  111.58 261.68 270 top
R16#3  10K  [R_0603_1608Metric]  196.58 261.68 270 top
R16#4  10K  [R_0603_1608Metric]  196.58 164.68 270 top
R16#5  10K  [R_0603_1608Metric]  111.58 164.68 270 top
R16#6  10K  [R_0603_1608Metric]  26.58 164.68 270 top
R16#7  10K  [R_0603_1608Metric]  196.58 67.68 270 top
R16#8  10K  [R_0603_1608Metric]  111.58 67.68 270 top
R16#9  10K  [R_0603_1608Metric]  26.58 67.68 270 top
R17  DNP  [R_0603_1608Metric]  62.2 274.5 0 top
R17#2  DNP  [R_0603_1608Metric]  147.2 274.5 0 top
R17#3  DNP  [R_0603_1608Metric]  232.2 274.5 0 top
R17#4  DNP  [R_0603_1608Metric]  232.2 177.5 0 top
R17#5  DNP  [R_0603_1608Metric]  147.2 177.5 0 top
R17#6  DNP  [R_0603_1608Metric]  62.2 177.5 0 top
R17#7  DNP  [R_0603_1608Metric]  232.2 80.5 0 top
R17#8  DNP  [R_0603_1608Metric]  147.2 80.5 0 top
R17#9  DNP  [R_0603_1608Metric]  62.2 80.5 0 top
R18  DNP  [R_0603_1608Metric]  62.2 273 0 top
R18#2  DNP  [R_0603_1608Metric]  147.2 273 0 top
R18#3  DNP  [R_0603_1608Metric]  232.2 273 0 top
R18#4  DNP  [R_0603_1608Metric]  147.2 176 0 top
R18#5  DNP  [R_0603_1608Metric]  232.2 176 0 top
R18#6  DNP  [R_0603_1608Metric]  62.2 176 0 top
R18#7  DNP  [R_0603_1608Metric]  232.2 79 0 top
R18#8  DNP  [R_0603_1608Metric]  62.2 79 0 top
R18#9  DNP  [R_0603_1608Metric]  147.2 79 0 top
R19  DNP  [R_0603_1608Metric]  65.5 276.1 180 top
R19#2  DNP  [R_0603_1608Metric]  150.5 276.1 180 top
R19#3  DNP  [R_0603_1608Metric]  235.5 276.1 180 top
R19#4  DNP  [R_0603_1608Metric]  235.5 179.1 180 top
R19#5  DNP  [R_0603_1608Metric]  150.5 179.1 180 top
R19#6  DNP  [R_0603_1608Metric]  65.5 179.1 180 top
R19#7  DNP  [R_0603_1608Metric]  235.5 82.1 180 top
R19#8  DNP  [R_0603_1608Metric]  150.5 82.1 180 top
R19#9  DNP  [R_0603_1608Metric]  65.5 82.1 180 top
R20  2.7k  [R_0603_1608Metric]  78.51 237.12 270 top
R20#2  2.7k  [R_0603_1608Metric]  163.51 237.12 270 top
R20#3  2.7k  [R_0603_1608Metric]  248.51 237.12 270 top
R20#4  2.7k  [R_0603_1608Metric]  248.51 140.12 270 top
R20#5  2.7k  [R_0603_1608Metric]  163.51 140.12 270 top
R20#6  2.7k  [R_0603_1608Metric]  78.51 140.12 270 top
R20#7  2.7k  [R_0603_1608Metric]  248.51 43.12 270 top
R20#8  2.7k  [R_0603_1608Metric]  163.51 43.12 270 top
R20#9  2.7k  [R_0603_1608Metric]  78.51 43.12 270 top
R21  0R  [R_0603_1608Metric]  43.74 290.04 45 bottom